# Altium PCB drive.PcbDoc
Units mm, origin at the board's own origin, x right, y up, seen from the top; angles counter-clockwise.
Board outline 29.81 x 30.08 mm, 2 copper layers (Top Layer, Bottom Layer); 54 components, 46 nets, 231 pads, 73 vias.
Unrouted connection lines stored in the file: 5.
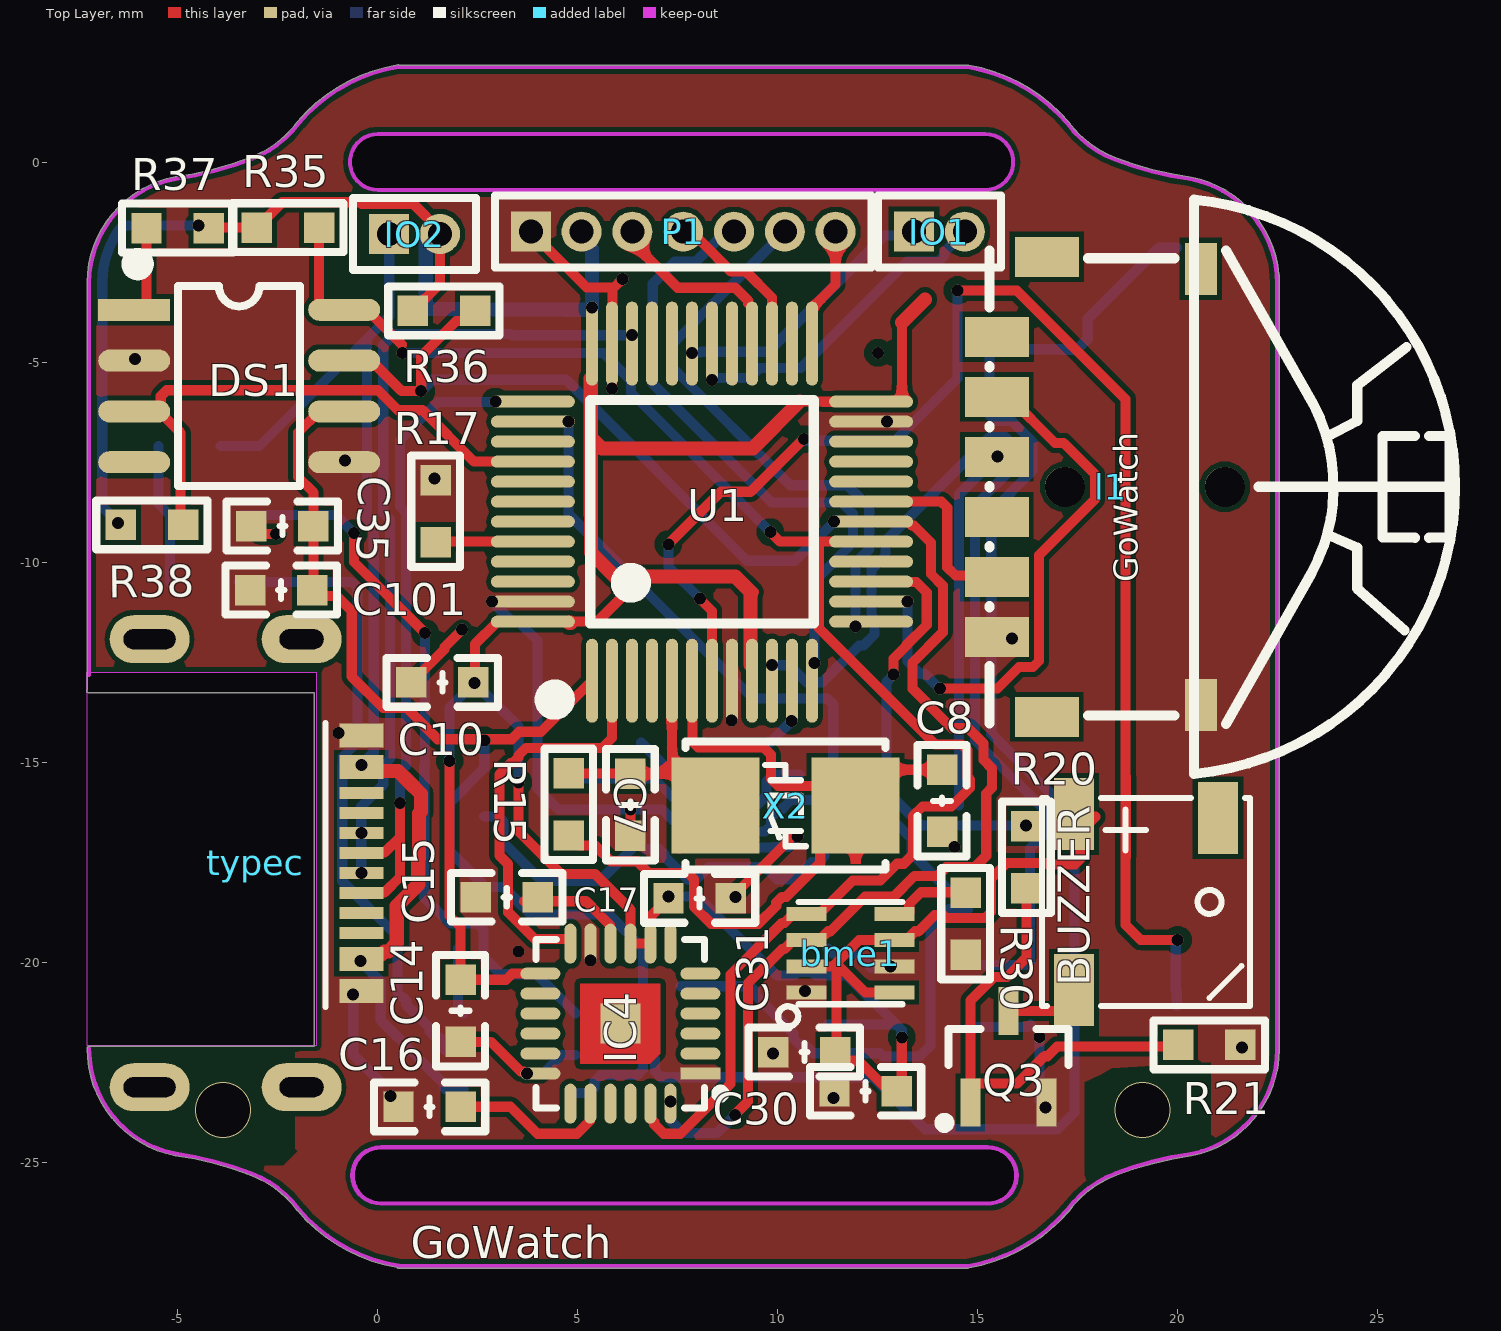
[diagram p0: Top Layer view]
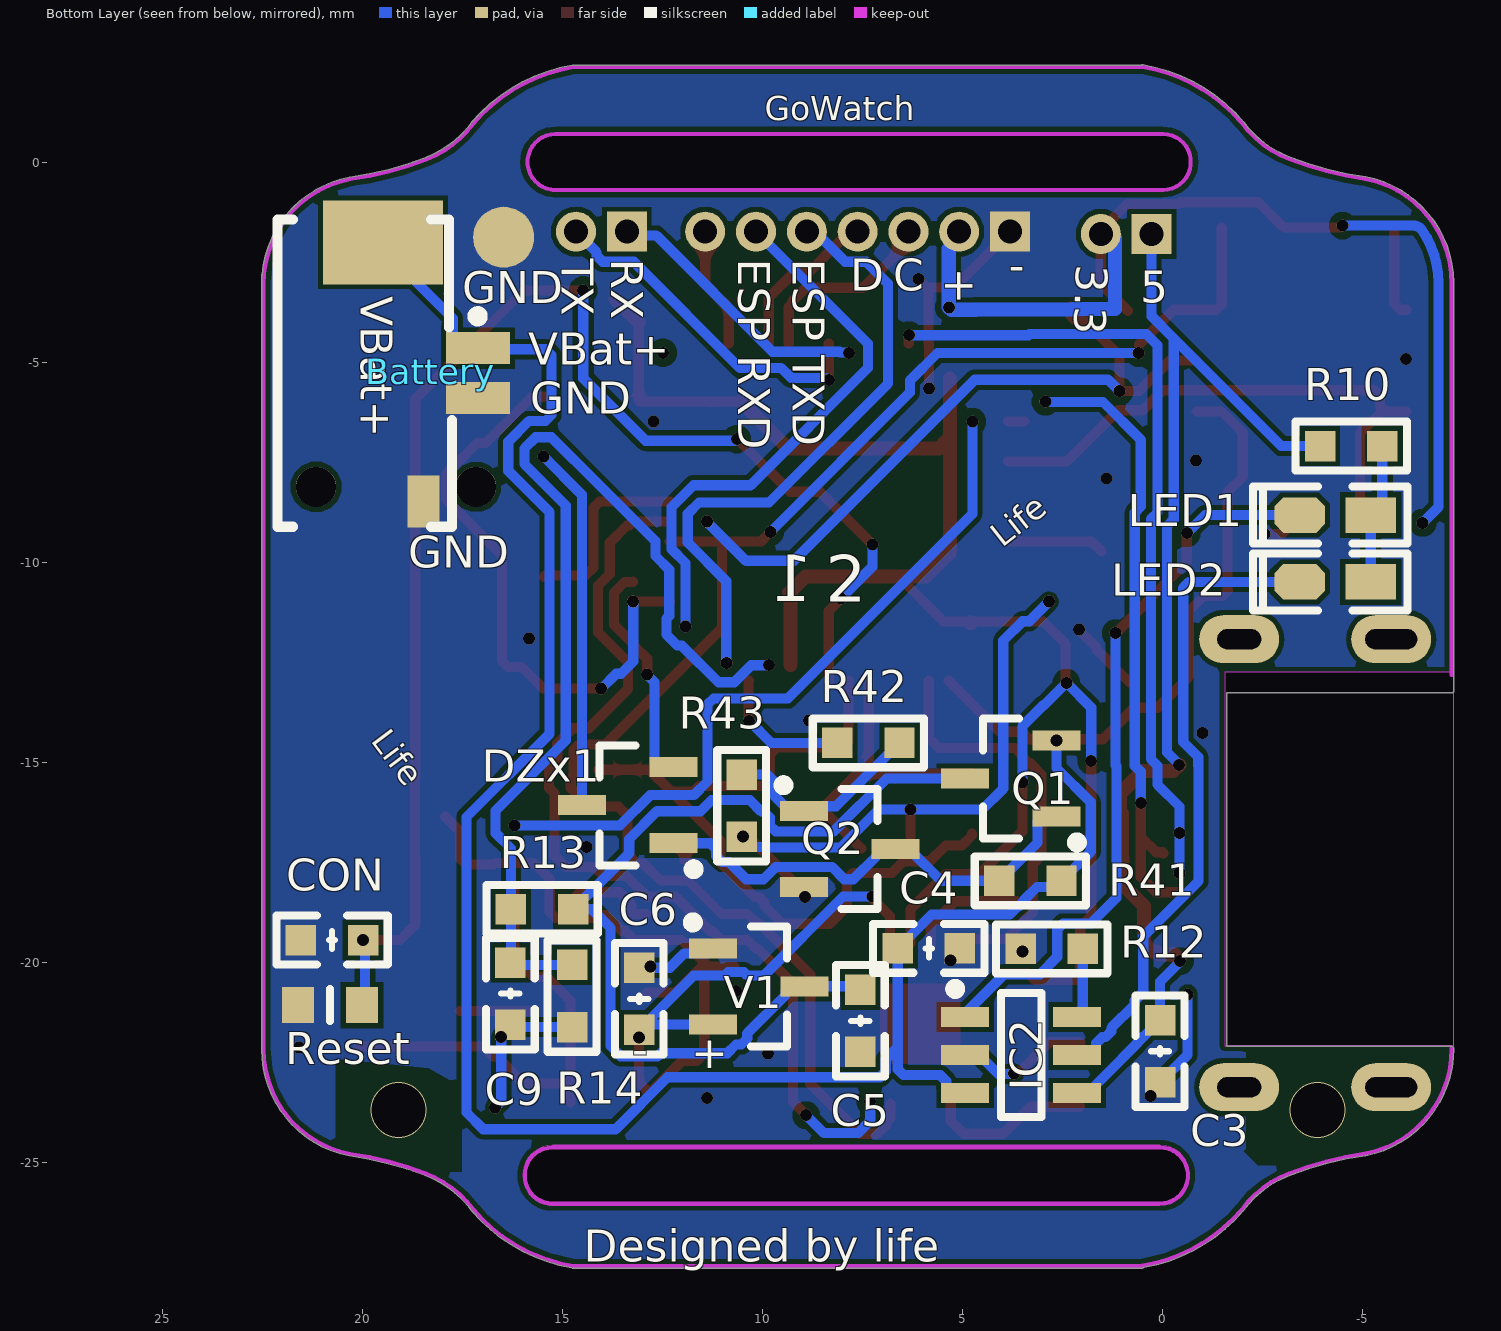
[diagram p1: Bottom Layer view, seen from below]
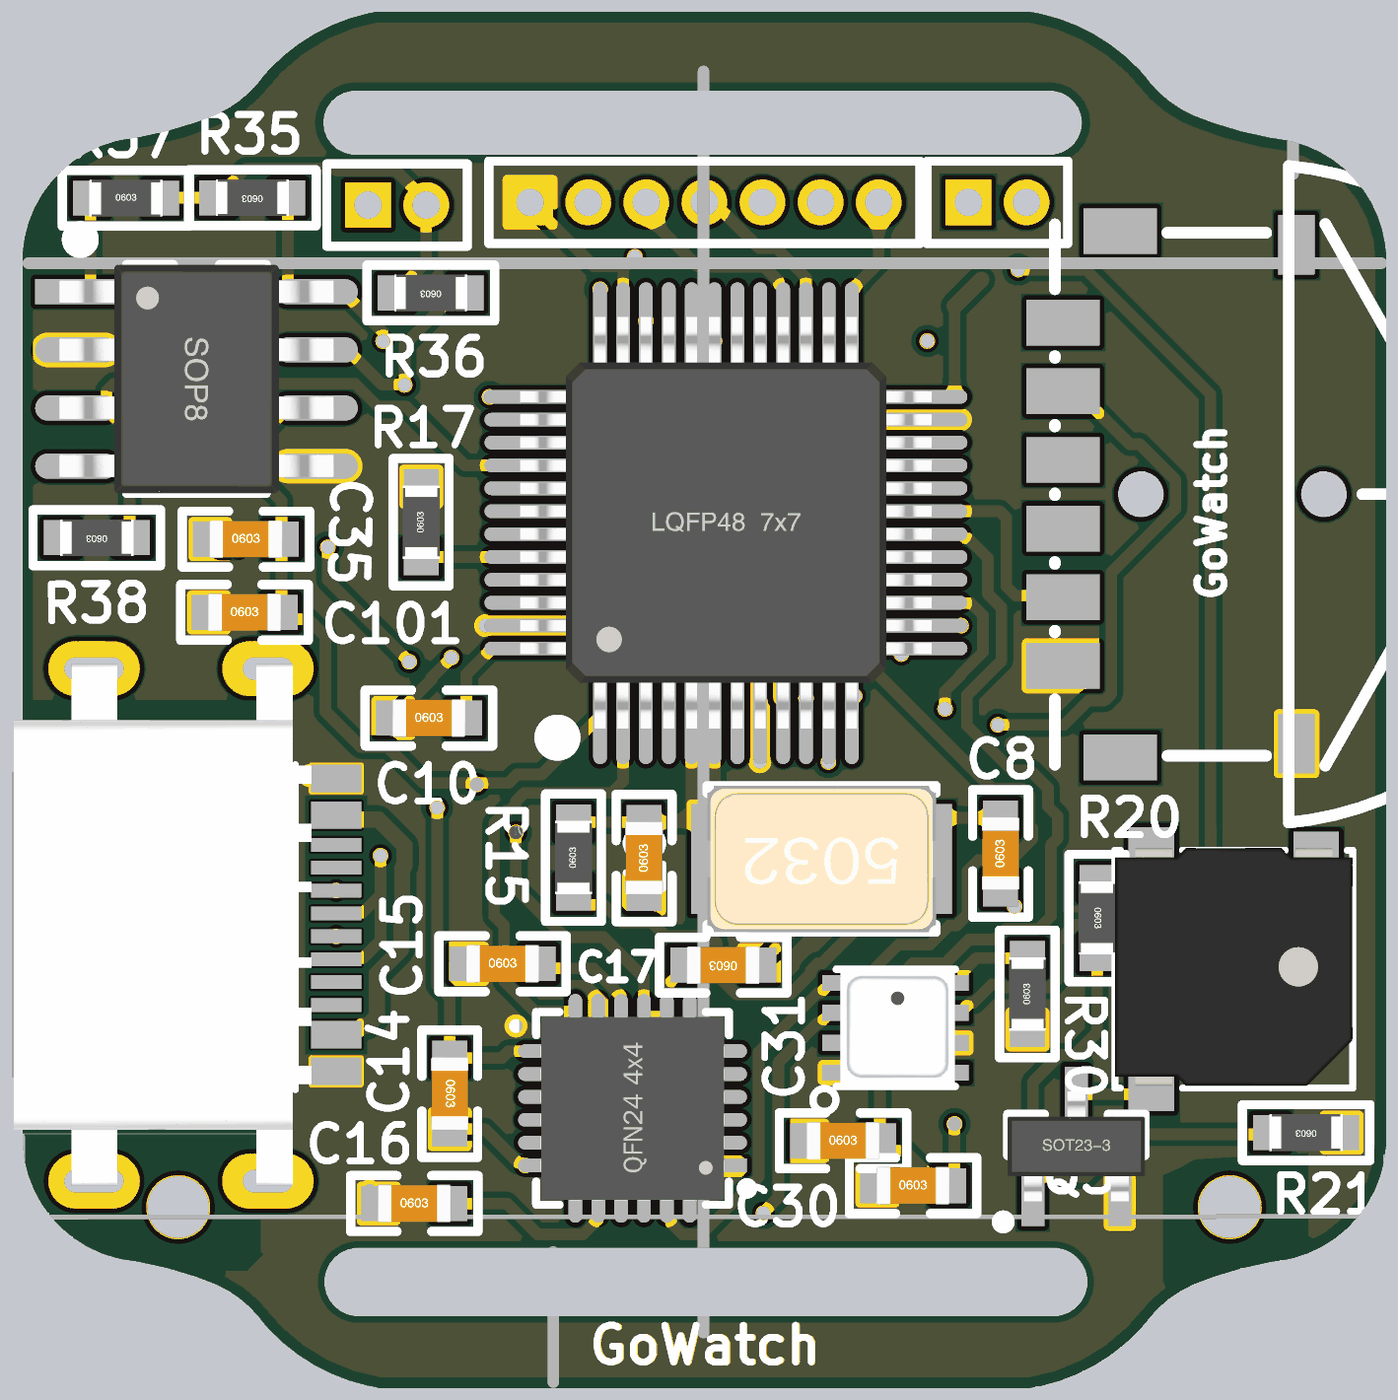
[diagram p2: 3D render of the assembled board from above, using the file's embedded part models]
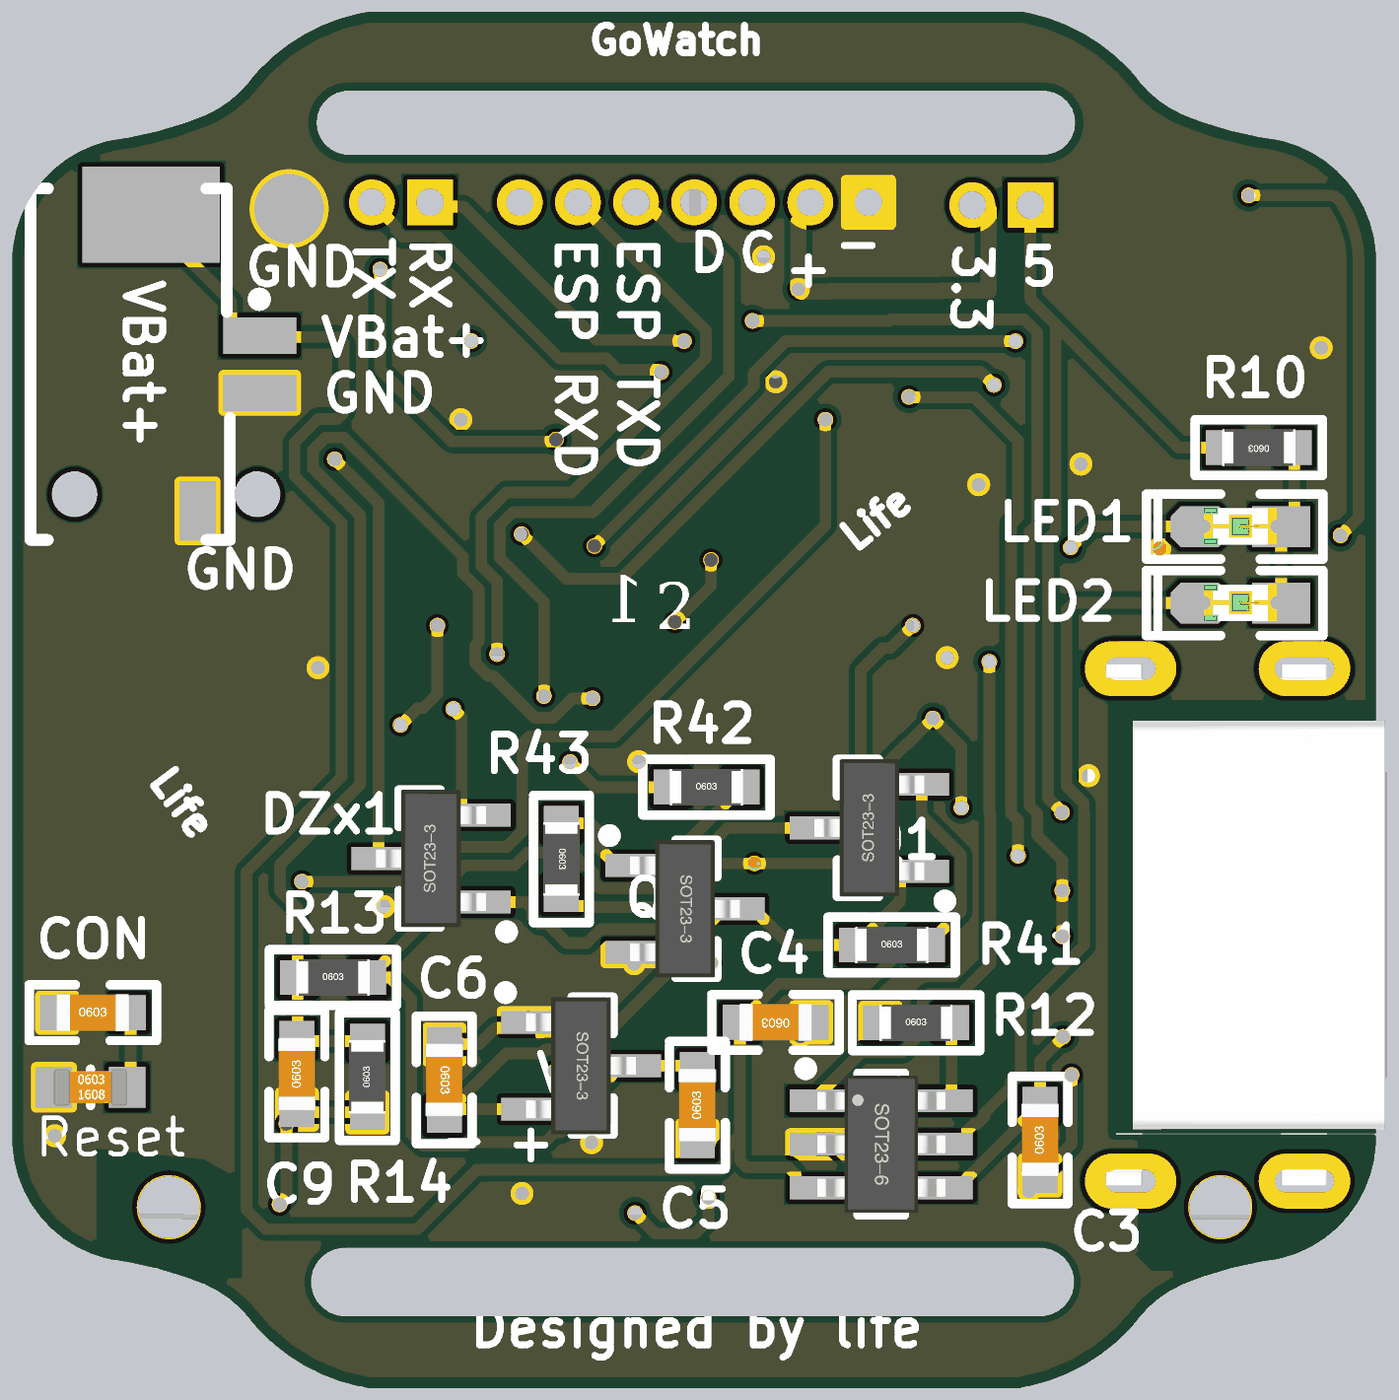
[diagram p3: 3D render of the assembled board from below, using the file's embedded part models]

## Layer stack, top to bottom
Top Solder: solder mask 0.0102, Solder Resist, Dk 3.5
Top Layer: signal copper 0.0356
Dielectric 1: dielectric 0.32, FR-4, Dk 4.8
Bottom Layer: signal copper 0.0356
Bottom Solder: solder mask 0.0102, Solder Resist, Dk 3.5

## Board outline
-5.062,-24.841 cw(c-5.062,-24.841) -5.062,-24.841 cw(c-6.224,-33.164) -3.179,-25.332 ccw(c-3.16,-25.283) -3.177,-25.332 cw(c-4.071,-27.717) -2.017,-26.212 ccw(c-1.976,-26.183) -2.014,-26.216 cw(c-1.981,-26.188) -2.014,-26.215 -2.014,-26.216 ccw(c1.195,-23.484) 0.473,-27.636 ccw(c0.508,-27.601) 0.508,-27.651 14.752,-27.651 ccw(c14.752,-27.601) 14.777,-27.644 ccw(c14.065,-23.491) 17.269,-26.228 ccw(c17.239,-26.188) 17.279,-26.218 cw(c19.334,-27.722) 18.44,-25.338 cw(c18.448,-25.357) 18.441,-25.337 cw(c21.486,-33.169) 20.315,-24.848 ccw(c20.316,-24.798) 20.325,-24.847 ccw(c19.818,-22.185) 22.529,-22.185 ccw(c20.031,-22.184) 22.529,-22.167 22.529,-3.061 ccw(c19.819,-3.043) 22.529,-3.043 ccw(c20.031,-3.042) 22.529,-3.025 22.529,-2.841 ccw(c22.478,-2.841) 22.519,-2.811 ccw(c19.818,-3.043) 20.325,-0.381 ccw(c20.316,-0.43) 20.322,-0.38 ccw(c20.324,-0.366) 20.323,-0.38 20.322,-0.38 cw(c21.484,7.943) 18.439,0.11 ccw(c18.425,0.075) 18.437,0.111 cw(c19.331,2.495) 17.277,0.991 ccw(c17.238,0.963) 17.274,0.994 ccw(c14.065,-1.737) 14.767,2.418 ccw(c14.752,2.37) 14.752,2.42 0.535,2.42 ccw(c0.505,2.38) 0.497,2.429 ccw(c1.192,-1.727) -2.017,1.004 ccw(c-2.008,0.996) -2.017,1.004 ccw(c-1.979,0.971) -2.02,1.001 cw(c-4.074,2.505) -3.181,0.121 cw(c-3.195,0.157) -3.181,0.121 -3.182,0.12 cw(c-3.167,0.082) -3.181,0.121 -3.182,0.12 cw(c-6.227,7.953) -5.065,-0.37 cw(c-5.069,-0.346) -5.066,-0.37 -5.065,-0.37 ccw(c-5.059,-0.421) -5.068,-0.371 ccw(c-4.562,-3.033) -7.272,-3.008 ccw(c-7.222,-3.011) -7.272,-3.011 -7.272,-3.015 cw(c-5.717,-3.024) -7.272,-3.008 -7.272,-3.015 ccw(c-4.562,-3.033) -7.272,-3.051 -7.272,-13.195 ccw(c-7.228,-13.22) -7.228,-13.271 -1.595,-13.271 -1.595,-22.11 -7.218,-22.11 ccw(c-7.218,-22.16) -7.269,-22.16 ccw(c-4.558,-22.178) -5.065,-24.841 ccw(c-5.056,-24.791)
cut-out: 0.073,-26.085 cw(c0.073,-25.335) 0.073,-24.585 15.224,-24.585 cw(c15.224,-24.635) 15.239,-24.587 cw(c15.254,-24.635) 15.254,-24.585 cw(c15.254,-25.335) 16.004,-25.335 cw(c15.254,-25.335) 15.334,-26.081 cw(c15.314,-26.035) 15.314,-26.085
cut-out: 0,-0.7 cw(c0,0) 0,0.7 15.151,0.7 15.181,0.7 cw(c15.181,0) 15.181,-0.7 15.241,-0.7
cut-out: -7.272,-22.09 -7.272,-12.75 -1.548,-12.75 -1.548,-22.09

## Design rules (kind name [scope] priority, off if disabled: settings)
Clearance [All] p1: gap=0.127 ignorepadtopadclearanceinfootprint=FALSE except(0.15: Arc-Arc Arc-Track Track-Track; 0.2: Arc-Via Track-Via SMDPad-Via THPad-Via Via-Fill Via-Poly Via-Region; 0.4: Via-Via)
PolygonConnect [All] p1: connectstyle=Direct reliefconductorwidth=0.254 reliefentries=4 polygonreliefangle="90 Angle" airgapwidth=0.254
RoutingVias [All] p1: holewidth=0.4 width=1 viastyle="Through Hole" minholewidth=0.3 minwidth=0.6 maxholewidth=0.711 maxwidth=1.27
SolderMaskExpansion [All] p1: expansion=0.102 istentingtop=FALSE
Width [All] p1: maxlimit=3 minlimit=0.127 preferedwidth=0.254 minimp=50.000000 maximp=50.000000 favimp=50.000000
30 further rules are at their usual default settings.

## Components (designator, comment, footprint, x,y, rotation, side; value= is the part's Value field where it differs from the comment)
Battery "smd1.25" smd-1.25 20.64,-4.93 r90 bottom
bme1 "BME280" BME280 12.953,-18.459 r180 top
BUZZER "Beep-5020" 5020BUZZER 19.2,-18.548 r180 top
C3 "105" "C 0603_L" 0.07,-22.23 r90 bottom
C4 "105" "C 0603_L" 5.85,-19.66 r0 bottom
C5 "104" "C 0603_L" 7.56,-21.47 r90 bottom
C6 "104" "C 0603_L" 13.09,-20.92 r270 bottom
C7 "20PF" "C 0603_L" 6.311,-16.07 r90 top
C8 "20PF" "C 0603_L" 14.101,-15.97 r90 top
C9 "104" "C 0603_L" 16.31,-20.79 r90 bottom
C10 "104" "C 0603_L" 1.61,-13.01 r0 top
C14 "103" "C 0603_L" 2.065,-21.219 r270 top
C15 "104" "C 0603_L" 3.22,-18.38 r0 top
C16 "222" "C 0603_L" 1.29,-23.62 r0 top
C17 "104" "C 0603_L" 8.04,-18.41 r180 top
C30 "104" "C 0603_L" 12.19,-23.23 r0 top
C31 "475" "C 0603_L" 10.66,-22.25 r0 top
C35 "104" "C 0603_L" -2.39,-9.1 r0 top
C101 "104" "C 0603_L" -2.42,-10.7 r0 top
CON "104" "C 0603_L" 20.77,-19.45 r180 bottom
DS1 "DS3231-8PIN" SOP8_N -3.47,-5.6 r0 top
DZx1 "BAT54C" SOT23-3N 13.38,-16.08 r90 bottom
IC2 "TP4057" SOT23-6N 3.54,-22.324 r270 bottom
IC4 "MPU6050" "QFN24 4x4_M" 6.06,-21.54 r90 top
IO1 "串口" MHDR1X2 13.4,-1.74 r0 top
IO2 "5v与3.3v相联" MHDR1X2 0.28,-1.8 r0 top
l1 "lunbo" lunbo 14.383,-0.881 r270 top
LED1 "红色" "LED 0603R" -4.31,-8.82 r0 bottom
LED2 "绿色" "LED 0603G" -4.31,-10.49 r0 bottom
P1 "MHDR1X7" MHDR1X7 3.82,-1.74 r0 top
Q1 "AO3401" SOT23-3N 3.8,-15.41 r90 bottom
Q2 "9014" SOT23-3N 7.83,-17.18 r270 bottom
Q3 "SS8050" SOT23-3N 15.76,-22.37 r0 top
R10 "100k" "R 0603_L" -4.71,-7.1 r0 bottom
R12 "2K" "R 0603_L" 2.78,-19.67 r180 bottom
R13 "10K" "R 0603_L" 15.52,-18.68 r180 bottom
R14 "10K" "R 0603_L" 14.77,-20.85 r90 bottom
R15 "1M" "R 0603_L" 4.77,-16.06 r90 top
R17 "10K" "R 0603_L" 1.44,-8.73 r90 top
R20 "1K" "R 0603_L" 16.21,-17.38 r270 top
R21 "10K" "R 0603_L" 20.78,-22.07 r180 top
R30 "10K" "R 0603_L" 14.69,-19.04 r90 top
R35 "4.7K" "R 0603_L" -2.25,-1.64 r180 top
R36 "4.7K" "R 0603_L" 1.65,-3.72 r180 top
R37 "4.7K" "R 0603_L" -5.01,-1.65 r0 top
R38 "4.7K" "R 0603_L" -5.65,-9.07 r180 top
R41 "240K" "R 0603_L" 3.31,-17.97 r180 bottom
R42 "2.2K" "R 0603_L" 7.36,-14.52 r180 bottom
R43 "240K" "R 0603_L" 10.53,-16.09 r270 bottom
Reset "0" C0603 20.82,-21.08 r180 bottom
typec "typec-16p-new" type-c-16p-new -4.007,-17.657 r270 top locked
U1 "STM32F103C8" "LQFP48 7X7_M" 8.101,-8.74 r0 top locked
V1 "XC6206P332MR" SOT23-3N 10.1,-20.61 r270 bottom
X2 "8Mhz" "OSC 5032-2P" 10.19,-16.09 r180 top
